# Altium PCB FIT_TDC_ADC.PcbDoc (part 10 of 10)
Units mm, origin at the board's own origin, x right, y up, seen from the top; angles counter-clockwise.
Board outline 89.38 x 69 mm, 8 copper layers (Top Layer, GND1, SIGNAL2, POWER3, POWER4, SIGNAL5, GND6, Bottom Layer), stack 1.028 mm thick; 495 components, 463 nets, 2013 pads, 1239 vias.
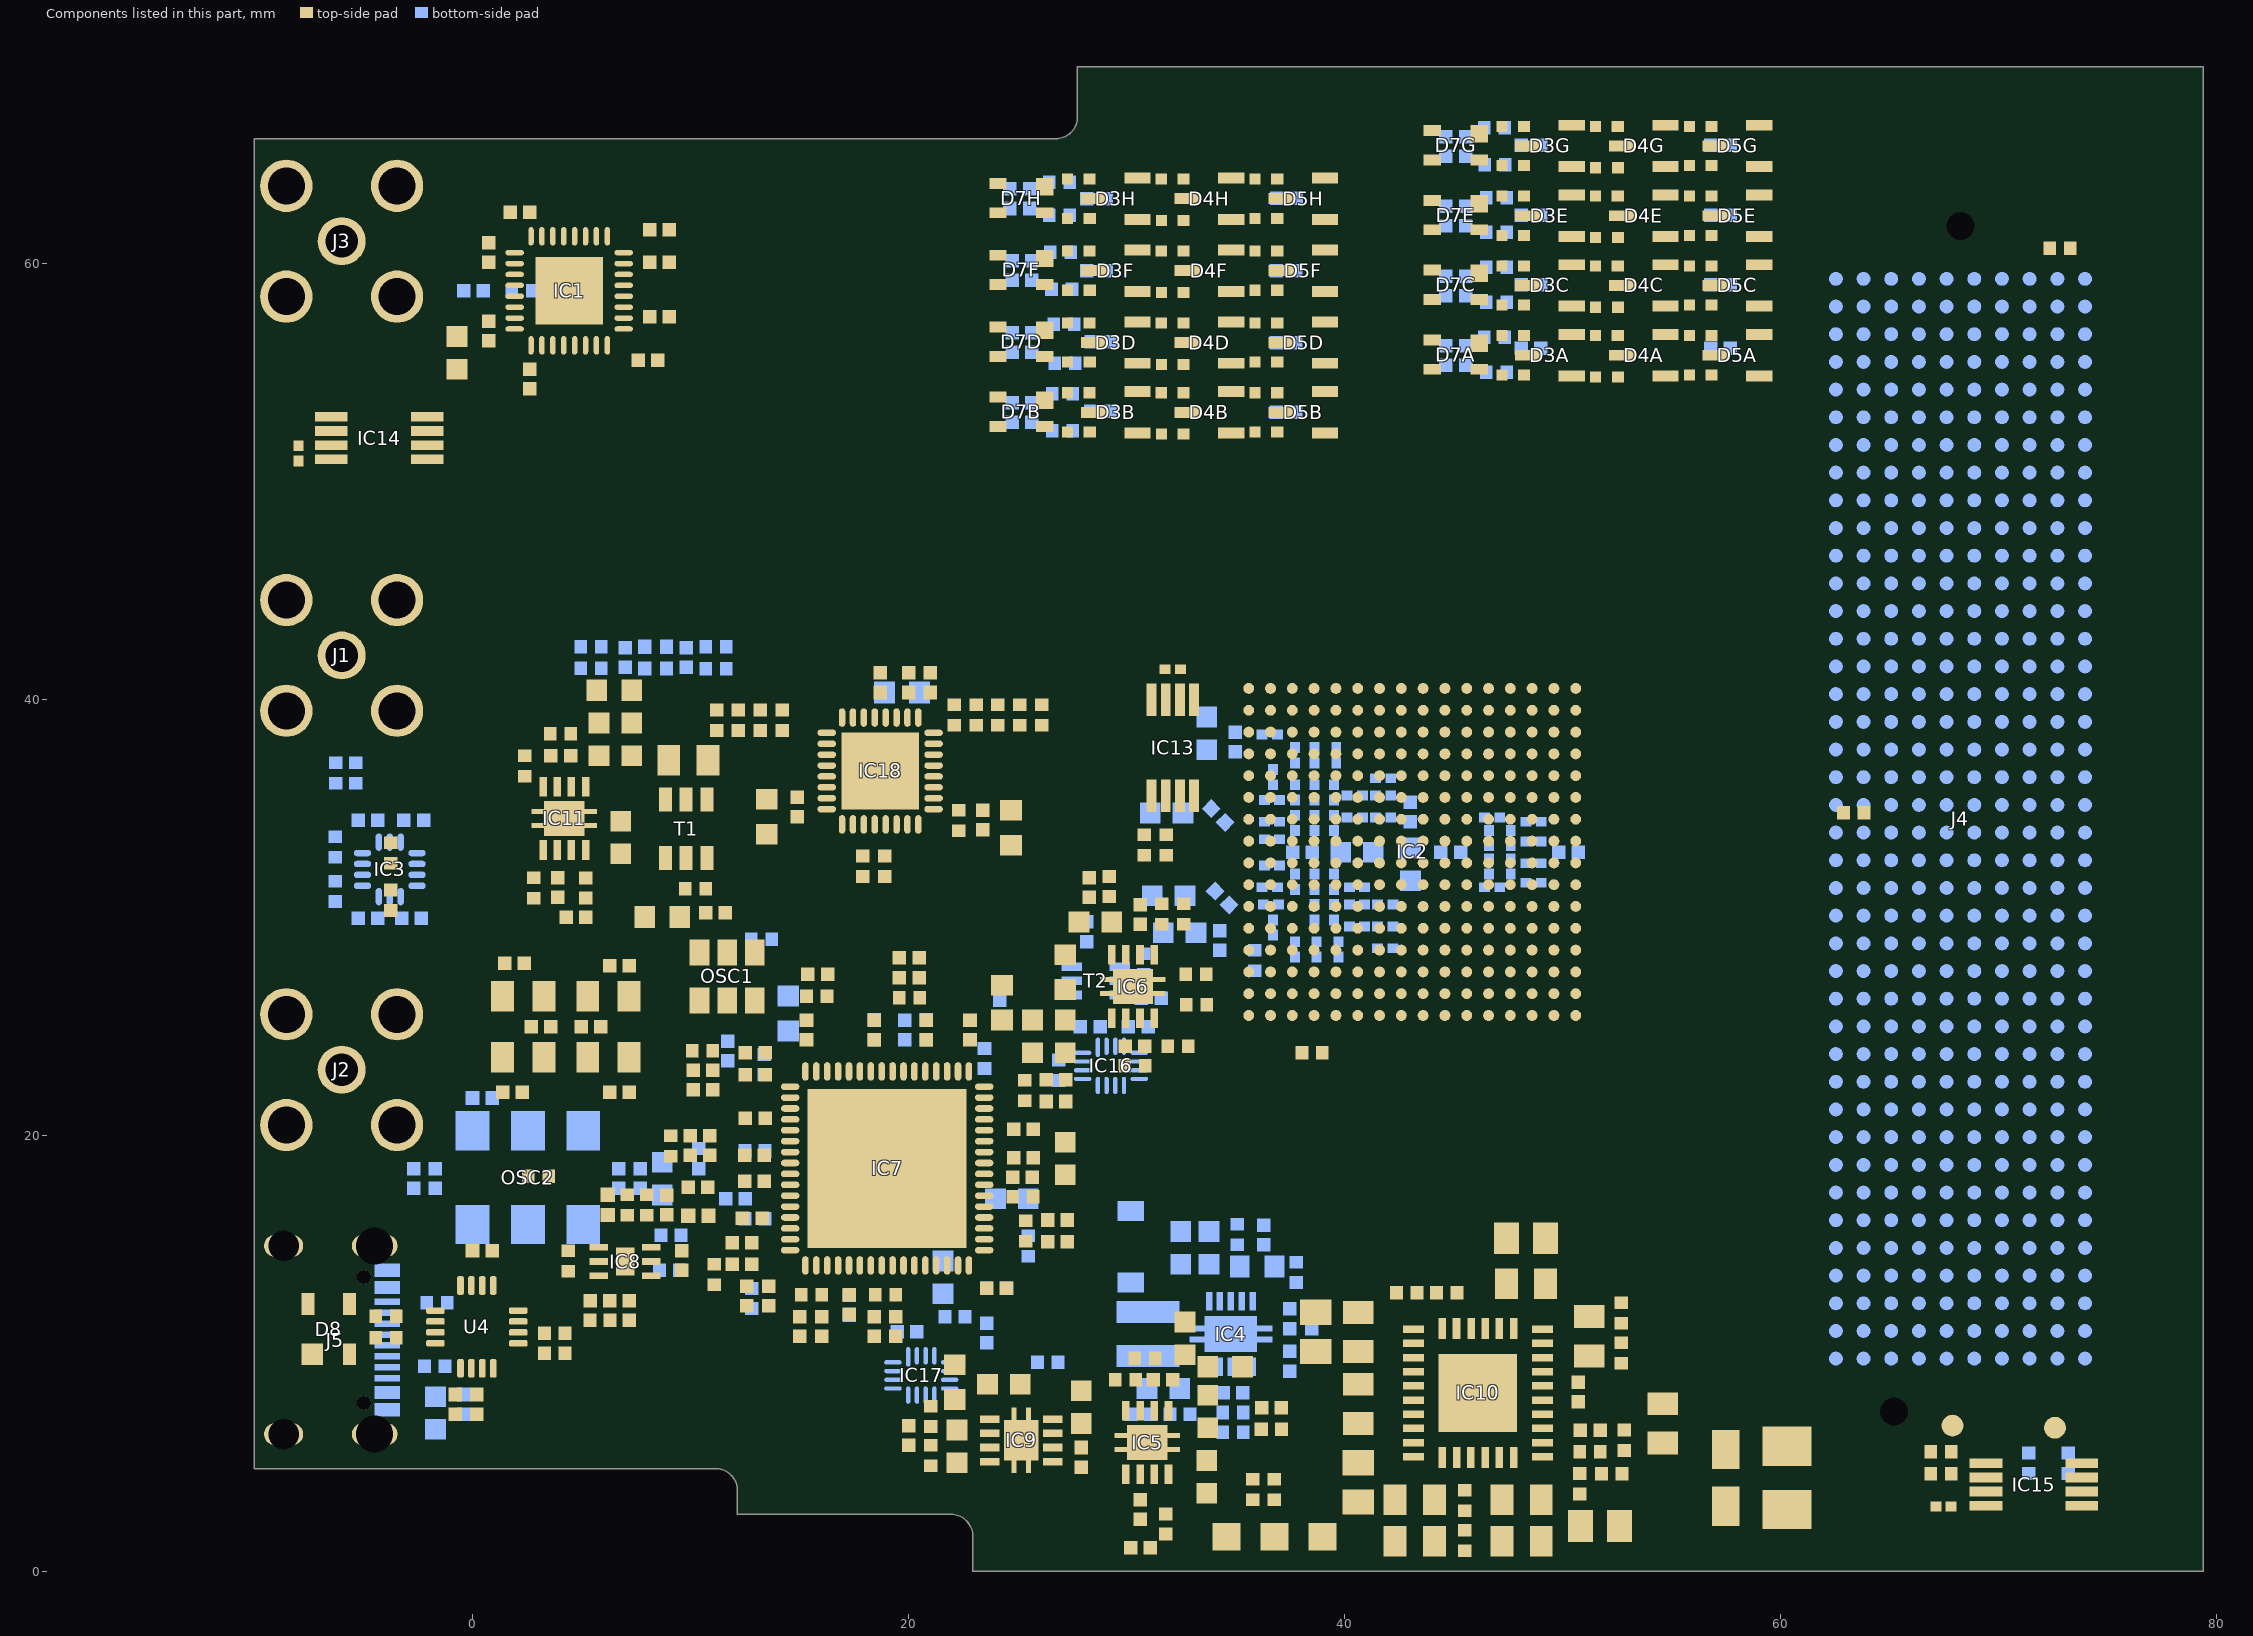
[diagram p16: the components of this part, seen from the top]

## Polygon pours and split planes (outlines as drawn) (continued)
P1V8A on POWER4 "P1V8A_L05_P117" (solid, remove dead copper, pour order 117): 36.785,16.874 36.785,15.174 37.385,14.574 38.785,14.574 39.085,14.874 39.085,16.274 38.285,17.074 36.985,17.074
P2V5 on POWER4 "P2V5_L05_P116" (solid, remove dead copper, pour order 116): 33.785,16.374 33.785,17.174 34.185,17.574 35.985,17.574 36.185,17.374 36.185,16.474 35.885,16.174 33.985,16.174
P1V8 on POWER4 "NONET_L-01_P-001" (solid, remove dead copper, pour order 109): 30 vertices, not listed, extent 30.785,0.874 77.585,67.474
VA_1V9 on POWER4 "NONET_L-01_P-001" (solid, remove dead copper, pour order 107): 33.185,16.174 31.085,16.174 30.585,16.674 30.585,35.374 31.785,36.574 40.485,36.574 40.885,36.174 40.885,29.774 40.485,29.374 34.885,29.374 34.585,29.074 34.585,18.374 33.585,17.374 33.585,16.574 33.485,16.474
GND on GND6 "NONET_L-01_P-001" (solid, remove dead copper, pour order 112): -9,5.874 -9,65.124 27.524,65.124 28.4,66 28.4,68.374 78.635,68.374 78.635,0.624 23.885,0.624 23.885,2.874 22.885,3.874 13.385,3.874 13.385,4.874 12.385,5.874
GND on GND1 "NONET_L-01_P-001" (solid, remove dead copper, pour order 113): -9,5.874 -9,64 -7.876,65.124 27.524,65.124 28.3,65.9 28.3,68.374 78.635,68.374 78.635,0.624 23.885,0.624 23.885,2.874 22.885,3.874 13.385,3.874 13.385,4.874 12.385,5.874

## Silkscreen, mask and mechanical layers (free items; w line width, h text height)
Top Overlay:
  lines w0.12: 2.9,30.2 3.2,30.2 3.5,30.5 ; 9.4,15.2 9.5,15.1 11.5,15.1 ; 11.585,11.974 11.585,13.074 12.185,13.674 ; 14.385,11.674 14.385,11.974 14.685,12.274 ; 49.785,3.074 51.585,3.074
  text "FIT TDC/ADC Readout board v1.0" at 45.15,50.95 h0.7
  text "Designed by Agnieszka Bartkowicz" at 44.845,49.431 h0.7
Bottom Overlay:
  lines w0.12: 37.485,33.674 40.685,33.674 40.785,33.774 43.185,33.774 43.285,33.874 43.563,34.152 43.563,45.552 43.985,45.974 44.185,45.974
Mechanical 1:
  the board outline again, w0.127

## Text inside footprints (layer, text, board x,y; h text height)
IC2: Mechanical 14 "T" at 33.704,25.185 h0.6; Mechanical 14 "R" at 33.704,26.185 h0.6; Mechanical 14 "P" at 33.704,27.185 h0.6; Mechanical 14 "N" at 33.704,28.185 h0.6; Mechanical 14 "M" at 33.704,29.185 h0.6; Mechanical 14 "L" at 33.704,30.185 h0.6; Mechanical 14 "K" at 33.704,31.185 h0.6; Mechanical 14 "J" at 33.704,32.185 h0.6; Mechanical 14 "H" at 33.704,33.185 h0.6; Mechanical 14 "G" at 33.704,34.185 h0.6; Mechanical 14 "F" at 33.704,35.185 h0.6; Mechanical 14 "E" at 33.704,36.185 h0.6; Mechanical 14 "D" at 33.704,37.185 h0.6; Mechanical 14 "C" at 33.704,38.185 h0.6; Mechanical 14 "B" at 33.704,39.185 h0.6; Mechanical 14 "A" at 33.704,40.185 h0.6; Mechanical 14 "2" at 36.904,41.985 h0.6 r90; Mechanical 14 "3" at 37.904,41.985 h0.6 r90; Mechanical 14 "4" at 39.004,41.985 h0.6 r90; Mechanical 14 "5" at 40.004,41.985 h0.6 r90; Mechanical 14 "16" at 50.904,41.985 h0.6 r90; Mechanical 14 "15" at 49.904,41.985 h0.6 r90; Mechanical 14 "14" at 48.904,41.985 h0.6 r90; Mechanical 14 "13" at 47.954,41.985 h0.6 r90; Mechanical 14 "12" at 46.904,41.985 h0.6 r90; Mechanical 14 "11" at 45.904,41.985 h0.6 r90; Mechanical 14 "10" at 44.904,41.985 h0.6 r90; Mechanical 14 "9" at 43.904,41.985 h0.6 r90; Mechanical 14 "8" at 42.904,41.985 h0.6 r90; Mechanical 14 "7" at 41.904,41.985 h0.6 r90; Mechanical 14 "6" at 40.904,41.985 h0.6 r90; Mechanical 14 "1" at 35.904,41.985 h0.6 r90
IC10: Drill Drawing "soldermask defined pads,  / do not increase/decrease  / soldermask aperture in this area" at 35.479,21.794 h1.2 r270
J4: Mechanical 14 "a" at 73.711,64.481 h1 r180; Mechanical 14 "b" at 72.441,64.481 h1 r180; Mechanical 14 "c" at 71.171,64.481 h1 r180; Mechanical 14 "d" at 69.794,64.498 h1 r180; Mechanical 14 "e" at 68.557,64.459 h1 r180; Mechanical 14 "f" at 67.289,64.625 h1 r180; Mechanical 14 "h" at 64.694,64.481 h1 r180; Mechanical 14 "g" at 66.019,64.371 h1 r180; Mechanical 14 "j" at 63.479,64.371 h1 r180; Mechanical 14 "k" at 62.336,64.498 h1 r180; Mechanical 14 "40" at 61.2,7.384 h1 r270; Mechanical 14 "1" at 60.177,59.926 h1 r180; Bottom Overlay "e" at 68.557,64.459 h1 r180; Bottom Overlay "d" at 69.794,64.498 h1 r180; Bottom Overlay "c" at 71.171,64.481 h1 r180; Bottom Overlay "b" at 72.441,64.481 h1 r180; Bottom Overlay "a" at 73.711,64.481 h1 r180; Bottom Overlay "f" at 67.289,64.625 h1 r180; Bottom Overlay "h" at 64.694,64.481 h1 r180; Bottom Overlay "g" at 66.019,64.371 h1 r180; Bottom Overlay "j" at 63.479,64.371 h1 r180; Bottom Overlay "k" at 62.336,64.498 h1 r180; Bottom Overlay "40" at 61.2,7.384 h1 r270; Bottom Overlay "1" at 60.177,59.926 h1 r180